# Altium PCB RX_test_01.PcbDoc (part 1 of 3) (continued)
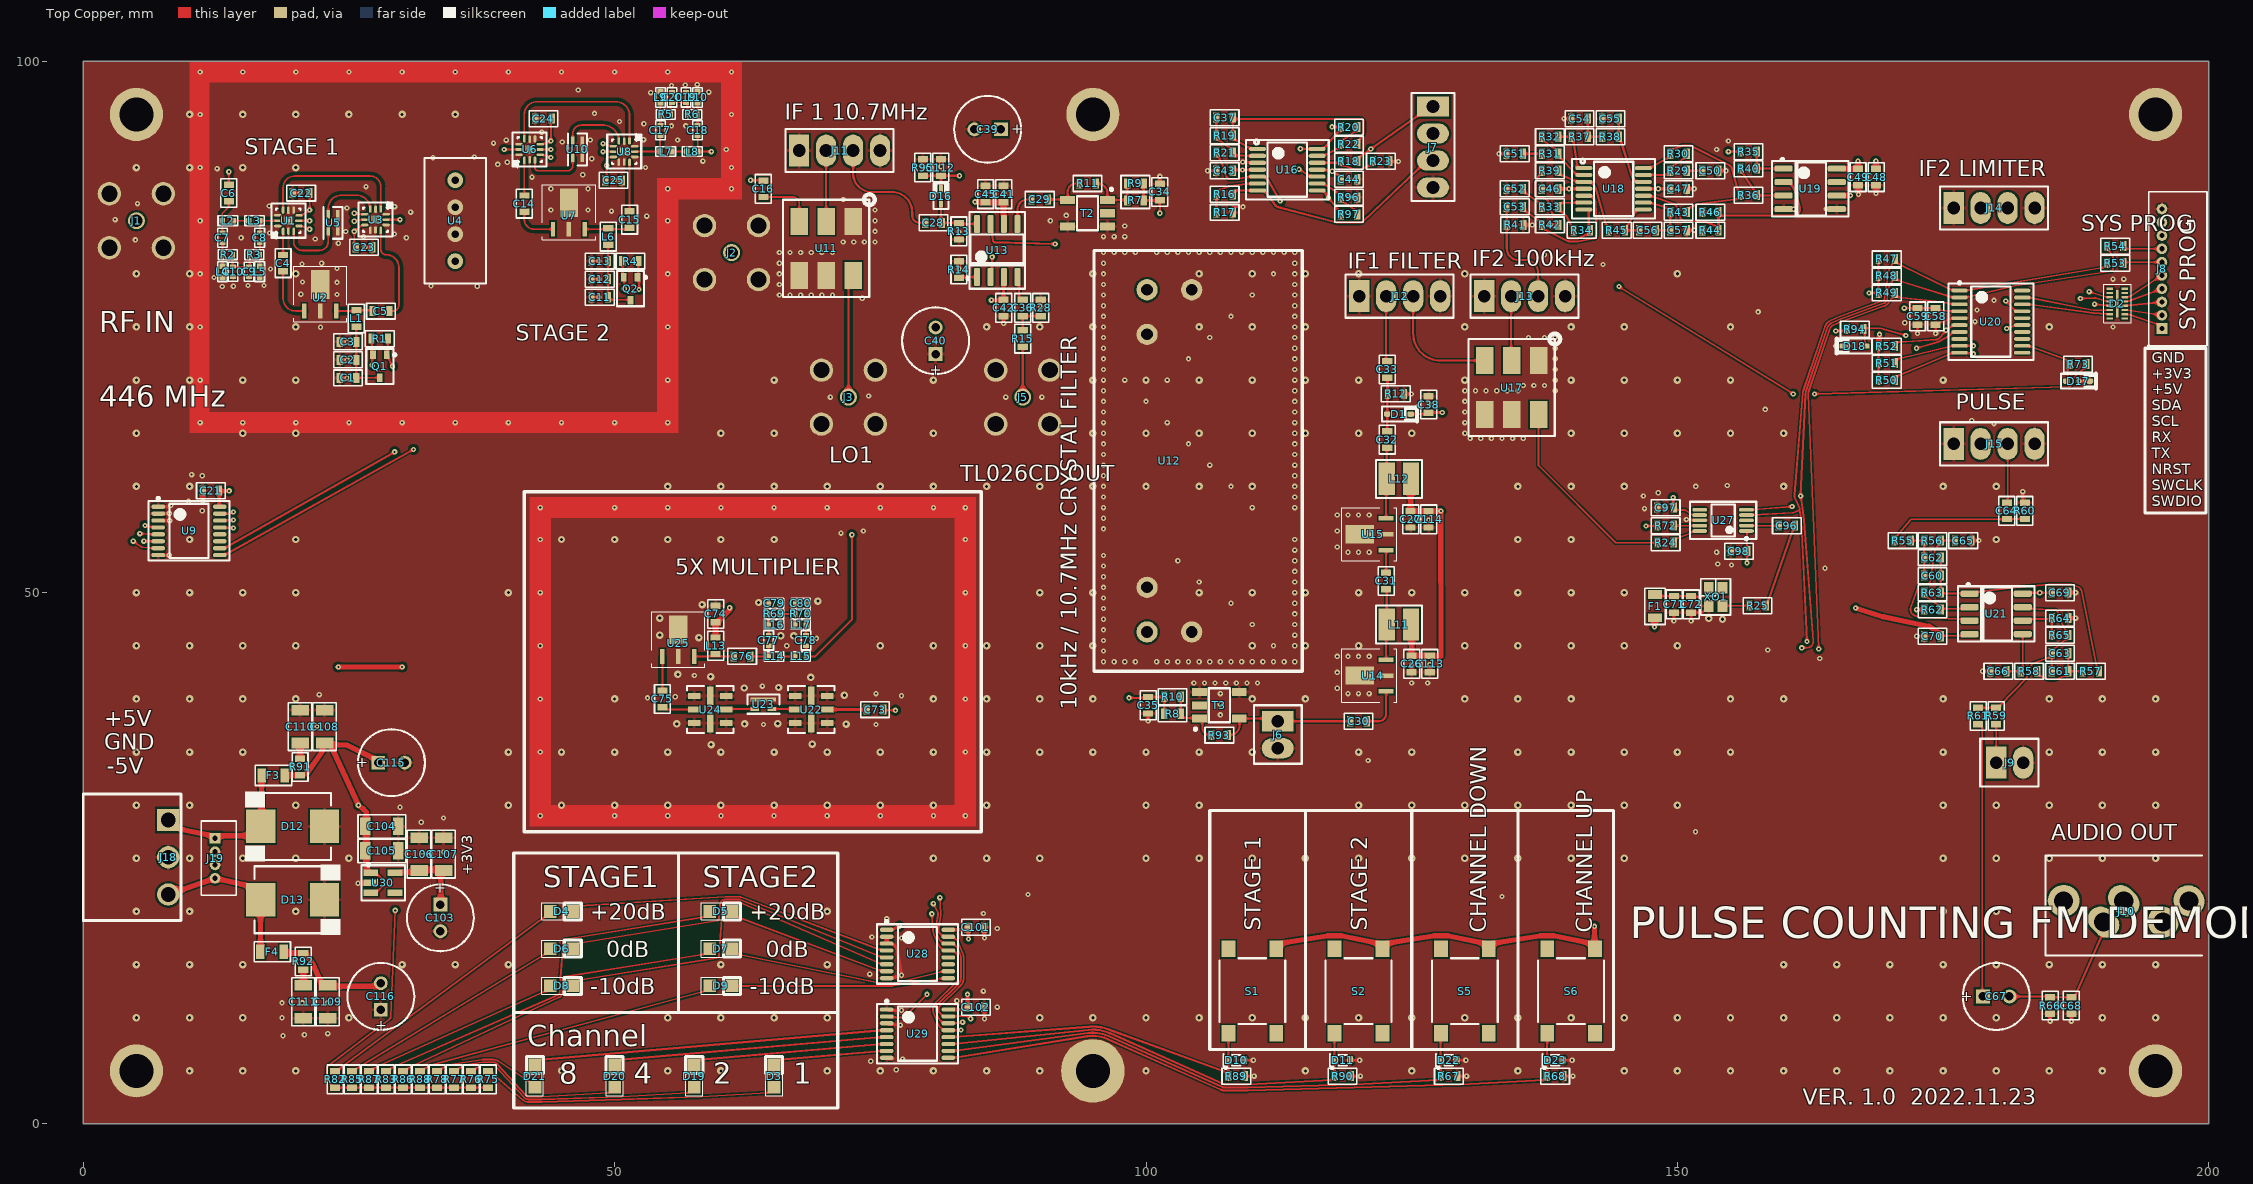
[diagram p0: Top Copper view]
## Part data (continued)
C34 C35: library part MC0603N220J500CT, "MULTICOMP - MC0603N220J500CT - CAP, MLCC, C0G/NP0, 22PF, 50V, 0603", Capacitance=22p, Manufacturer=MULTICOMP, Supplier Part Number 1=1759057, ComponentLink1Description=http://www.farnell.com/datasheets/1901289.pdf, ComponentLink1URL=http://www.farnell.com/datasheets/1901289.pdf, Manufacturer Part Number=MC0603N220J500CT, Pricing 1="10=0.0077, 100=0.0065, 500=0.0052, 1000=0.0044, 2000=0.0038 (GBP)", RoHS=YES, Stock 1=184439, Supplier 1=Farnell, Supplier 2=Newark, Supplier Part Number 2=94W8766
C38 C53 C112: library part 06033C104KAT2A, "AVX - 06033C104KAT2A - CAP, MLCC, X7R, 0.1UF, 25V, 0603", Capacitance=100n, Capacitance Tolerance="± 10%", Ceramic Capacitor Case="0603 [1608 Metric]", Dielectric Characteristic=X7, Manufacturer=AVX, Operating Temperature Max=125, Operating Temperature Min=-55, Supplier Part Number 1=2530141, Voltage Rating=25, Automotive Qualification Standard=-, ComponentLink1Description=http://www.farnell.com/datasheets/2237835.pdf, ComponentLink1URL=http://www.farnell.com/datasheets/2237835.pdf, Manufacturer Part Number=06033C104KAT2A, MSL="MSL 1 - Unlimited", Packaging="Cut Tape", Pricing 1="10=0.012, 100=0.0096, 500=0.0069, 1000=0.006, 2000=0.0048, 4000=0.0038, 20000=0.0027, 40000=0.0026 (GBP)", Product Range="AVX 0603 MLCC", RoHS=YES, Stock 1=22809, Supplier 1=Farnell, Supplier 2=Digi-Key, Supplier Part Number 2=478-3714-1-ND, SVHC="No SVHC (17-Dec-2015)<!--FANDB--><div class=\"features-and-benefits-container\"><div class=\"features-and-benefits-desc-container\"><span class=\"features-and-benefits-container-desc\">SMD Multilayer Ceramic Capacitor, 0603 [1608 Metric], 0.1 µF, 25 V, ± 10%, X7R, AVX 0603 MLCC</span></div><div class=\"features-and-benefits-description\"><span class=\"features-benefits-value\">The 06033C104KAT2A is a SMD Multilayer Ceramic Capacitor with Ni/Sn-plated termination, X7R dielectric and 0603 case. X7R formulations are called temperature stable ceramics and fall into EIA class II materials. X7R is the most popular of this intermediate dielectric constant material. This capacitance change is non-linear. Capacitance for X7R varies under the influence of electrical operating conditions such as voltage and frequency. X7"
C39 C40 C67 C103 C115 C116: library part 860010473007, "CAP 100 UF 20% 25 V", Capacitance=100uF, Case/Package=Radial, Manufacturer="Wurth Electronics", Max Operating Temperature=85°C, Min Operating Temperature=-40°C, Package Quantity=1500, Ripple Current=209mA, Supplier Part Number 1=710-860010473007, Tolerance=20%, Voltage Rating=25V, Category="Aluminum Electrolytic Capacitors", ComponentLink1Description=https://datasheet.ciiva.com/48693/001280151-da-01-en-wcap-atg8-alu-elec-caps-860010473007-48693591.pdf?src-supplier=Conrad, ComponentLink1URL=https://datasheet.ciiva.com/48693/001280151-da-01-en-wcap-atg8-alu-elec-caps-860010473007-48693591.pdf?src-supplier=Conrad, Diameter=6.3mm, Height=11mm, Height - Seated (Max)=0.492inch, Lead Pitch=0.098inch, Life (Hours)=2000Hour, Manufacturer Part Number=860010473007, Material=Aluminium, Mount="Through Hole", Packaging="Tape and Reel", Polarity=Polar, Pricing 1="1=0.14000, 10=0.13400, 25=0.13400, 50=0.11200, 100=0.09800, 250=0.08700 (USD)", REACH SVHC=Unknown, RoHS=Yes, Stock 1=1494, Supplier 1=Mouser, Supplier 2=Farnell, Supplier 3=Digi-Key, Supplier Part Number 2=2465675, Supplier Part Number 3=732-8630-1-ND, Voltage Rating (DC)=25V
C55 C96: library part MCU0603C102JCT, "MULTICOMP - MCU0603C102JCT - CAP, MLCC, C0G/NP0, 1NF, 50V, 0603", Capacitance=1n, Capacitance Tolerance="± 5%", Capacitance Tolerance +=5%, Capacitor Terminals=SMD, Ceramic Capacitor Case="0603 [1608 Metric]", Dielectric Characteristic="C0G / NP0", Manufacturer=MULTICOMP, Operating Temperature Max=125, Operating Temperature Min=-55, Operating Temperature Range="-55°C to +125", Supplier Part Number 1=9406131, Temperature Coefficient="0ppm/°C ± 30", Voltage Rating=50, Voltage Rating V DC="50V<!--FANDB--><div class=\"features-and-benefits-container\"><div class=\"features-and-benefits-desc-container\"><span class=\"features-and-benefits-container-desc\">SMD Multilayer Ceramic Capacitor, 0603 [1608 Metric], 1000 pF, 50 V, ± 5%, C0G / NP0", Automotive Qualification Standard=-, Capacitance Tolerance ±="± 5%", ComponentLink1Description=http://www.farnell.com/datasheets/1723231.pdf, ComponentLink1URL=http://www.farnell.com/datasheets/1723231.pdf, External Depth=0.8, External Length / Height=1.6, External Width=0.8, Manufacturer Part Number=MCU0603C102JCT, MSL=-, No. of Pins=2, Packaging="Cut Tape", Pricing 1="10=0.0164, 100=0.0133, 500=0.0095, 1000=0.0082, 2000=0.0065 (GBP)", Product Range="MCU Series", Reel Quantity=4000, RoHS=YES, Stock 1=25831, Supplier 1=Farnell, SVHC="No SVHC (07-Jul-2017)", Tape Width=8, Tolerance +=5%, Tolerance -=5%
C68: library part C0603C470J5GACAUTO, "CAP CER 47PF 50V C0G/NP0 0603", Capacitance=47p, Manufacturer=KEMET, Operating Temperature="-55°C ~ 125°C", Package / Case="0603 (1608 Metric)", Ratings=AEC-Q200, Supplier Part Number 1=80-C0603C470J5G, Temperature Coefficient="C0G, NP0", Tolerance=±5%, Voltage - Rated=50V, Applications=Automotive, Category=Capacitors, ComponentLink1Description=https://search.kemet.com/component-edge/download/datasheet/C0603C470J5GACAUTO.pdf, ComponentLink1URL=https://search.kemet.com/component-edge/download/datasheet/C0603C470J5GACAUTO.pdf, Failure Rate=-, Features=-, Height - Seated (Max)=-, Lead Spacing=-, Lead Style=-, Manufacturer Part Number=C0603C470J5GACAUTO, Mounting Type="Surface Mount, MLCC", Packaging="Cut Tape (CT)", Part Status=Active, Pricing 1="1=0.12, 10=0.088, 100=0.0391, 500=0.02792, 1000=0.02193 (USD)", RoHS="RoHS Compliant", Size / Dimension="0.063\" L x 0.032\" W (1.60mm x 0.80mm)", Stock 1=21519, Supplier 1=Mouser, Supplier 2=Farnell, Supplier 3=Digi-Key, Supplier 4=TME, Supplier Part Number 2=1414639, Supplier Part Number 3=399-6890-1-ND, Supplier Part Number 4=C0603C470J5GAC, Thickness (Max)="0.034\" (0.87mm)"
C71: library part GRT188C81A106ME13D, "Cap Ceramic 10uF 10V X6S 20% Pad SMD 0603 105C Automotive T/R", Capacitance=10uF, Case Code (Imperial)=0603, Case Code (Metric)=1608, Manufacturer=Murata, Max Operating Temperature=105°C, Min Operating Temperature=-55°C, Ratings=AEC-Q200, Supplier Part Number 1=81-GRT188C81A106ME3D, Tolerance=20%, Voltage Rating=10V, Case/Package=0603, Category="Ceramic Capacitors", ComponentLink1Description=http://search.murata.co.jp/Ceramy/image/img/A01X/G101/ENG/GRT188C81A106ME13-01.pdf?src-supplier=Digi-Key, ComponentLink1URL=http://search.murata.co.jp/Ceramy/image/img/A01X/G101/ENG/GRT188C81A106ME13-01.pdf?src-supplier=Digi-Key, Length=0.063inch, Manufacturer Part Number=GRT188C81A106ME13D, Mount="Surface Mount", Packaging="Tape and Reel", Pricing 1="1=0.41000, 10=0.20100, 50=0.20100, 100=0.17200, 1000=0.10900, 10000=0.09700 (USD)", RoHS=No, Stock 1=1862, Supplier 1=Mouser, Supplier 2=Farnell, Supplier 3=Digi-Key, Supplier Part Number 2=3582904, Supplier Part Number 3=490-12283-6-ND, Thickness=0.035inch, Width=0.031inch
C97 C98: library part CGA3E1X7R1E105K080AC, "CAP CER 1UF 25V X7R 0603", Capacitance=1u, Manufacturer="TDK Corporation", Operating Temperature="-55°C ~ 125°C", Package / Case="0603 (1608 Metric)", Ratings=AEC-Q200, Supplier Part Number 1=445-6931-1-ND, Temperature Coefficient=X7R, Tolerance=±10%, Voltage - Rated=25V, Applications=Automotive, Category=Capacitors, ComponentLink1Description=https://product.tdk.com/info/en/catalog/datasheets/mlcc_automotive_general_en.pdf, ComponentLink1URL=https://product.tdk.com/info/en/catalog/datasheets/mlcc_automotive_general_en.pdf, Failure Rate=-, Features=-, Height - Seated (Max)=-, Lead Spacing=-, Lead Style=-, Manufacturer Part Number=CGA3E1X7R1E105K080AC, Mounting Type="Surface Mount, MLCC", Packaging="Cut Tape (CT)", Part Status=Active, Pricing 1="1=0.2, 10=0.135, 100=0.0686, 500=0.04696, 1000=0.04154 (USD)", RoHS="RoHS Compliant", Size / Dimension="0.063\" L x 0.032\" W (1.60mm x 0.80mm)", Stock 1=109509, Supplier 1=Digi-Key, Supplier 2=Mouser, Supplier Part Number 2=2346962, Supplier Part Number 3=810-CGA3E1X7R1E105K, Thickness (Max)="0.035\" (0.90mm)"
C104 C105 C106 C107 C108 C109 C110 C111: library part GRM31CR71E106KA12L, "MURATA - GRM31CR71E106KA12L - CAP, MLCC, X7R, 10UF, 25V, 1206", Capacitance=10u, Dielectric=X7R, Manufacturer=MURATA, Supplier Part Number 1=81-GRM31CR71E106KA12, ComponentLink1Description=http://www.farnell.com/datasheets/2048746.pdf, ComponentLink1URL=http://www.farnell.com/datasheets/2048746.pdf, Manufacturer Part Number=GRM31CR71E106KA12L, Pricing 1="5=0.278, 50=0.185, 250=0.139, 500=0.134, 1000=0.128 (GBP)", RoHS=YES, Stock 1=8848, Supplier 1=Mouser, Supplier 2=Farnell, Supplier 3=Digi-Key, Supplier Part Number 2=1828837, Supplier Part Number 3=490-6518-1-ND
D1: "DIODE SCHOTTKY 30V 200MA SOD323", Capacitance @ Vr, F="7pF @ 1V, 1MHz", Current - Average Rectified (Io)="200mA (DC)", Manufacturer="Vishay Semiconductor Diodes Division", Operating Temperature - Junction="125°C (Max)", Package / Case="SC-76, SOD-323", Supplier Device Package=SOD-323, Supplier Part Number 1=BAT42WS-E3-08-ND, Category="Discrete Semiconductor Products", ComponentLink1Description=http://www.vishay.com/docs/81813/bat42wsv.pdf, ComponentLink1URL=http://www.vishay.com/docs/81813/bat42wsv.pdf, Diode Type=Schottky, Manufacturer Part Number=BAT42WS-E3-08, Mounting Type="Surface Mount", Packaging="Tape & Reel (TR)", Part Status=Active, Pricing 1="15000=0.0504 (USD)", RoHS="RoHS Compliant", Speed="Small Signal =< 200mA (Io), Any Speed", Stock 1=0, Supplier 1=Digi-Key, Supplier 2=Mouser, Supplier Part Number 2=78-BAT42WS-E3-08
D2: "EMI FILTER", Clamping Voltage Vc Max=8, Filter Case Style=LLP3313, Manufacturer=VISHAY, Supplier Part Number 1=78-VEMI85AB-HGK, ComponentLink1Description=http://www.farnell.com/datasheets/2244016.pdf, ComponentLink1URL=http://www.farnell.com/datasheets/2244016.pdf, EMI Filter Type="EMI Filter with ESD Protection", Filter Circuit="C-R-C Pi Filter", Manufacturer Part Number=VEMI85AB-HGK-GS08, No. of Data Lines="8 Data Lines", No. of Pins=17, Pricing 1="1=0.563, 25=0.446, 50=0.393, 100=0.339, 250=0.308, 500=0.279 (GBP)", Product Range=-, RoHS=YES, Stock 1=9416, Supplier 1=Mouser, Supplier 2=Farnell, Supplier 3=Digi-Key, Supplier Part Number 2=1795412, Supplier Part Number 3=751-1456-2-ND
D3 D4 D5 D6 D7 D8 D9 D19 D20 D21: library part MCL-S270GC, "MULTICOMP - MCL-S270GC - LED, 0805, GREEN, 10MCD, 570NM", Current Rating=20, Forward Voltage=2.1, Forward Voltage VF Max=2.6, LED Colour=Green, Manufacturer=MULTICOMP, Operating Temperature Max=85, Operating Temperature Min=-40, Operating Temperature Range="-40°C to +85", Peak Forward Current=100, Reverse Protection Voltage=5, Storage Temperature Max=+100, Supplier Part Number 1=1581242, Voltage Vf Min=1.7, Voltage Vf Typ="2.1V<!--FANDB--><div class=\"features-and-benefits-container\"><div class=\"features-and-benefits-description\"><span class=\"features-benefits-value\">The MCL-S270GC is a green SMD LED made of GaP dice. This LED offers water clear rectangular lens and 260°C for 5 seconds lead soldering temperature range 1.6mm from body.</span></div><div class=\"features-and-benefits-list\"><ul class=\"features-and-benefits-list-list\"><li class=\"features-and-benefits-list-item\">-40 to 85", Automotive Qualification Standard=-, Bulb Size="1.25mm x 1.4", ComponentLink1Description=http://www.farnell.com/cad/53028.pdf, ComponentLink1URL=http://www.farnell.com/cad/53028.pdf, ComponentLink2Description=http://www.farnell.com/datasheets/1671537.pdf, ComponentLink2URL=http://www.farnell.com/datasheets/1671537.pdf, Dominant Wavelength=570, Dominant Wavelength Typ=570, Forward Current If=20, Forward Current If Max=20, LED / Lamp Size="1.4mm x 1.25", LED Mounting=SMD, LED Type=Standard, Lens Shape=Rectangular, Luminous Intensity=10, Luminous Intensity Max=16, Luminous Intensity Min=4.5, Luminous Intensity Typ=10, Manufacturer Part Number=MCL-S270GC, MSL="MSL 3 - 168 hours", No. of Pins=2, Packaging="Cut Tape", Peak Wavelength=568, Pricing 1="5=0,145, 25=0,136, 100=0,126, 250=0,0813, 500=0,0645, 2000=0,0559, 5000=0,0496, 20000=0,0434 (GBP)", Product Range=-, RoHS=YES, Stock 1=80989, Storage Temperature Min=-40, Supplier 1=Farnell, Supplier 2=Newark, Supplier Part Number 2=14N9356, SVHC="No SVHC (17-Dec-2015)", Viewing Angle=140°, Wavelength Typ=570
D10 D11 D22 D23: library part PESD3V3S1UB,115, "TVS DIODE 3.3V 20V SOD523", Base Part Number=PESD*S1U, Capacitance @ Frequency="207pF @ 1MHz", Current - Peak Pulse (10/1000µs)="18A (8/20µs)", Manufacturer="Nexperia USA Inc.", Operating Temperature="-65°C ~ 150°C (TA)", Package / Case="SC-79, SOD-523", Power - Peak Pulse=330W, Power Line Protection=No, Supplier Device Package=SOD-523, Supplier Part Number 1=771-PESD3V3S1UB-T/R, Voltage - Breakdown (Min)=5.2V, Voltage - Clamping (Max) @ Ipp=20V, Voltage - Reverse Standoff (Typ)="3.3V (Max)", Applications="General Purpose", Category="Circuit Protection", ComponentLink1Description=https://assets.nexperia.com/documents/data-sheet/PESDXS1UB_SERIES.pdf, ComponentLink1URL=https://assets.nexperia.com/documents/data-sheet/PESDXS1UB_SERIES.pdf, Manufacturer Part Number=PESD3V3S1UB,115, Mounting Type="Surface Mount", Packaging="Cut Tape (CT)", Part Status=Active, Pricing 1="1=0.49, 10=0.368, 100=0.2082, 500=0.1379, 1000=0.10573 (USD)", RoHS="RoHS Compliant", Stock 1=0, Supplier 1=Mouser, Supplier 2=Farnell, Supplier 3=Digi-Key, Supplier 4=TME, Supplier Part Number 2=8737568, Supplier Part Number 3=1727-3829-1-ND, Supplier Part Number 4=PESD3V3S1UB.115, Type=Zener
D12 D13: "TVS DIODE 5V 9.2V DO214AB", Clamping Voltage=9.2V, Manufacturer=Littelfuse, Max Operating Temperature=150°C, Min Breakdown Voltage=6.4V, Min Operating Temperature=-55°C, Package Quantity=500, Peak Pulse Current=326.1A, Peak Pulse Power=3kW, Power Line Protection=No, Resistor Type=Zener, Reverse Standoff Voltage=5V, Supplier Part Number 1=576-SMDJ5.0A-T7, Category="TVS Diodes", ComponentLink1Description=http://components.arrow.com/part/dataview/51478447S87545N3675?src-supplier=Arrow+Electronics, ComponentLink1URL=http://components.arrow.com/part/dataview/51478447S87545N3675?src-supplier=Arrow+Electronics, ComponentLink2Description=http://www.mouser.com/ds/2/240/Littelfuse_TVS_Diode_SMCJ_HRA_Datasheet.pdf-693424.pdf?src-supplier=Mouser, ComponentLink2URL=http://www.mouser.com/ds/2/240/Littelfuse_TVS_Diode_SMCJ_HRA_Datasheet.pdf-693424.pdf?src-supplier=Mouser, Lead Free="Contains Lead", Manufacturer Part Number=SMDJ5.0A-T7, Mount="Surface Mount", Number of Pins=2, Number of Unidirectional Channels=1, Packaging="Tape and Reel", Pricing 1="1=0.84000, 10=0.71500, 50=0.71500, 100=0.56800, 500=0.46100, 1000=0.46100, 10000=0.46100 (USD)", RoHS=Yes, Stock 1=117, Supplier 1=Mouser, Supplier 2=Digi-Key, Supplier 3="Arrow Electronics", Supplier Part Number 2=18-SMDJ5.0A-T7CT-ND, Supplier Part Number 3=SMDJ5.0A-T7
D16: "Low barrier diode for detectors up to GHz frequencies, SC79, RoHS", Average Rectified Current=20mA, Manufacturer=Infineon, Max Operating Temperature=150°C, Max Repetitive Reverse Voltage (Vrrm)=40V, Min Operating Temperature=-55°C, Supplier Part Number 1=726-BAT6202VH6327XTS, Category="Rectifier Diodes", ComponentLink1Description=http://www.farnell.com/datasheets/1835974.pdf?src-supplier=Farnell, ComponentLink1URL=http://www.farnell.com/datasheets/1835974.pdf?src-supplier=Farnell, ComponentLink2Description=http://www.mouser.com/ds/2/196/Infineon-BAT62SERIES-DS-v01_01-en-539993.pdf?src-supplier=Mouser, ComponentLink2URL=http://www.mouser.com/ds/2/196/Infineon-BAT62SERIES-DS-v01_01-en-539993.pdf?src-supplier=Mouser, ComponentLink3Description=https://www.infineon.com/dgdl/bat62series.pdf?folderId=db3a304314dca389011518104e5d0df2&fileId=db3a304314dca3890115181141bf0df3&src-supplier=Digi-Key, ComponentLink3URL=https://www.infineon.com/dgdl/bat62series.pdf?folderId=db3a304314dca389011518104e5d0df2&fileId=db3a304314dca3890115181141bf0df3&src-supplier=Digi-Key, ComponentLink4Description=http://www.infineon.com/dgdl/Infineon-BAT62SERIES-DS-v01_01-en.pdf?fileId=db3a304314dca3890115181141bf0df3&src-supplier=Avnet, ComponentLink4URL=http://www.infineon.com/dgdl/Infineon-BAT62SERIES-DS-v01_01-en.pdf?fileId=db3a304314dca3890115181141bf0df3&src-supplier=Avnet, Element Configuration=Single, Forward Current=20mA, Manufacturer Part Number=BAT6202VH6327XTSA1, Max Reverse Voltage (DC)=40V, Mount="Surface Mount", Number of Pins=2, Packaging="Tape and Reel", Pricing 1="1=0.52000, 10=0.42300, 50=0.42300, 100=0.28800, 500=0.21600, 1000=0.16200, 3000=0.14800, 6000=0.13900, 9000=0.13000, 10000=0.13000 (USD)", RoHS=Yes, RoHS Compliant=Yes, Stock 1=8967, Supplier 1=Mouser, Supplier 2=Farnell, Supplier 3=Digi-Key, Supplier Part Number 2=2725714, Supplier Part Number 3=BAT6202VH6327XTSA1CT-ND
D17 D18: "DIODES INC. - 1N4148WS-7-F - DIODE, SS SWITCH, 75V, 0.2W, SOD323", Diode Case Style=SOD-323, Forward Current If(AV)=150, Forward Surge Current Ifsm Max=2, Forward Voltage VF Max=1.25, Manufacturer="DIODES INC.", Operating Temperature Min=-65, Operating Temperature Range="-65°C to +150°C<!--FANDB--><div class=\"features-and-benefits-container\"><div class=\"features-and-benefits-description\"><span class=\"features-benefits-value\">The 1N4148WS-7-F is a surface mount fast Switching Diode with matte tin-plated terminals and an UL94V-0 green molding compound molded plastic case. Solderable terminals as per MIL-STD-202, method 208 standard. Color band denotes cathode end polarity. It is suitable for general purpose switching applications.</span></div><div class=\"features-and-benefits-list\"><ul class=\"features-and-benefits-list-list\"><li class=\"features-and-benefits-list-item\">Fast switching speed</li><li class=\"features-and-benefits-list-item\">100V Non-repetitive peak reverse voltage</li><li class=\"features-and-benefits-list-item\">53V RMS reverse voltage</li><li class=\"features-and-benefits-list-item\">200mW Power dissipation</li><li class=\"features-and-benefits-list-item\">625", Repetitive Reverse Voltage Vrrm Max=75, Supplier Part Number 1=1843678, ComponentLink1Description=http://www.farnell.com/datasheets/1911818.pdf, ComponentLink1URL=http://www.farnell.com/datasheets/1911818.pdf, Diode Configuration=Single, Diode Type=Switching, Manufacturer Part Number=1N4148WS-7-F, MSL="MSL 1 - Unlimited", No. of Pins=2, Operating Temperature Max=150, Packaging="Cut Tape", Pricing 1="1=0.186, 25=0.142, 100=0.0928, 250=0.0514, 500=0.0433, 1000=0.0256, 3000=0.025, 8000=0.0239 (GBP)", Product Range="1N4148 Series", Reverse Recovery Time trr Max=4, RoHS=YES, Stock 1=64008, Supplier 1=Farnell, SVHC="No SVHC (17-Dec-2015)"
F1 F3 F4: library part 742792023, "WURTH ELEKTRONIK - 742792023 - FERRITE BEAD, 0.03OHM, 3A, 0805", DC Current Rating=3, DC Resistance Max=0.03, Ferrite Case Style="0805 [2012 Metric]", Impedance Tolerance="± 25%", Manufacturer="WURTH ELEKTRONIK", Resistance="0.03ohm<!--FANDB--><div class=\"features-and-benefits-container\"><div class=\"features-and-benefits-description\"><span class=\"features-benefits-value\">The 742792023 is a SMD EMI Suppression Ferrite Bead with 0805 case and reliable Ni-Sn electrodes. It can be put directly on the printed circuit board. It offers excellent anti-EMI properties and low DC resistance. Placed very close next to the interference source even with smallest size 0402, maximal impedance at 1000", Supplier Part Number 1=710-742792023, Automotive Qualification Standard=-, ComponentLink1Description=http://www.farnell.com/datasheets/1695980.pdf, ComponentLink1URL=http://www.farnell.com/datasheets/1695980.pdf, ComponentLink2Description=http://www.farnell.com/cad/1670054.zip, ComponentLink2URL=http://www.farnell.com/cad/1670054.zip, Ferrite Mounting=SMD, Impedance @ 100MHz=120, Manufacturer Part Number=742792023, Packaging="Cut Tape", Pricing 1="1=0,123, 50=0,112, 100=0,103, 500=0,0937, 1000=0,0877, 2000=0,0846 (GBP)", Product Range=-, RoHS=YES, Stock 1=4283, Supplier 1=Mouser, Supplier 2=Farnell, Supplier 3=Digi-Key, Supplier Part Number 2=1635732, Supplier Part Number 3=732-1613-1-ND
J1 J2 J3 J5: library part 73366-0061, "CONN MCX JACK STR 50 OHM PCB", Dielectric Material="Polytetrafluoroethylene (PTFE)", Housing Color=Gold, Manufacturer="Molex, LLC", Manufacturer Part Number=0733660061, Operating Temperature="-55°C ~ 155°C", Supplier Part Number 1=538-73366-0061, Body Finish=Gold, Body Material=Brass, Cable Group=-, Category="Connectors, Interconnects", Center Contact Material="Beryllium Copper", Center Contact Plating=Gold, ComponentLink1Description=https://www.molex.com/pdm_docs/sd/733660061_sd.pdf, ComponentLink1URL=https://www.molex.com/pdm_docs/sd/733660061_sd.pdf, Connector Style=MCX, Connector Type="Jack, Female Socket", Contact Termination=Solder, Fastening Type=Snap-On, Features=-, Impedance="50 Ohm", Includes=-, Ingress Protection=-, Insertion Loss=-, Mating Cycles=500, Mounting Feature=-, Mounting Type="Through Hole", Packaging=Tray, Part Status=Active, Pricing 1="1=1.95, 10=1.765, 25=1.6572, 50=1.5854, 100=1.5133, 250=1.36916, 500=1.26106, 1000=1.0809, 2500=1.00884 (USD)", RoHS="RoHS Compliant", Shield Termination=Solder, Stock 1=39394, Supplier 1=Mouser, Supplier 2=Digi-Key, Supplier 3=Farnell, Supplier Part Number 2=WM5541-ND, Supplier Part Number 3=1909245
J6 J9: "CONN HEADER 2 POS 2.54", Current Rating=3A, Insulation Color=Black, Manufacturer="Wurth Electronics Inc.", Material Flammability Rating="UL94 V-0", Operating Temperature="-40°C ~ 125°C", Supplier Part Number 1=710-61300211121, Voltage Rating=250V, Applications=-, Category="Connectors, Interconnects", ComponentLink1Description=https://katalog.we-online.de/em/datasheet/6130xx11121.pdf, ComponentLink1URL=https://katalog.we-online.de/em/datasheet/6130xx11121.pdf, Connector Type=Header, Contact Finish - Mating=Gold, Contact Finish - Post=-, Contact Finish Thickness - Mating=-, Contact Finish Thickness - Post=-, Contact Length - Mating="0.236\" (6.00mm)", Contact Length - Post="0.118\" (3.00mm)", Contact Material="Copper Alloy", Contact Shape=Square, Contact Type="Male Pin", Fastening Type=Push-Pull, Features=-, Ingress Protection=-, Insulation Height="0.100\" (2.54mm)", Insulation Material="Polybutylene Terephthalate (PBT)", Manufacturer Part Number=61300211121, Mated Stacking Heights=-, Mounting Type="Through Hole", Number of Positions=2, Number of Positions Loaded=All, Number of Rows=1, Overall Contact Length="0.454\" (11.54mm)", Packaging=Bulk, Part Status=Active, Pitch - Mating="0.100\" (2.54mm)", Pricing 1="1=0.13, 10=0.106, 25=0.088, 50=0.074, 100=0.067, 1000=0.061 (USD)", RoHS="RoHS Compliant", Row Spacing - Mating=-, Shrouding=Unshrouded, Stock 1=164911, Style="Board to Board or Cable", Supplier 1=Mouser, Supplier 2=Farnell, Supplier 3=Digi-Key, Supplier Part Number 2=2356153, Supplier Part Number 3=732-5315-ND, Termination=Solder
J7 J11 J12 J13 J14 J15: "CONN HEADER 4 POS 2.54", Current Rating=3A, Insulation Color=Black, Manufacturer="Wurth Electronics Inc.", Material Flammability Rating="UL94 V-0", Operating Temperature="-40°C ~ 125°C", Supplier Part Number 1=710-61300411121, Voltage Rating=250V, Applications=-, Category="Connectors, Interconnects", ComponentLink1Description=https://katalog.we-online.de/em/datasheet/6130xx11121.pdf, ComponentLink1URL=https://katalog.we-online.de/em/datasheet/6130xx11121.pdf, Connector Type=Header, Contact Finish - Mating=Gold, Contact Finish - Post=-, Contact Finish Thickness - Mating=-, Contact Finish Thickness - Post=-, Contact Length - Mating="0.236\" (6.00mm)", Contact Length - Post="0.118\" (3.00mm)", Contact Material="Copper Alloy", Contact Shape=Square, Contact Type="Male Pin", Fastening Type=Push-Pull, Features=-, Ingress Protection=-, Insulation Height="0.100\" (2.54mm)", Insulation Material="Polybutylene Terephthalate (PBT)", Manufacturer Part Number=61300411121, Mated Stacking Heights=-, Mounting Type="Through Hole", Number of Positions=4, Number of Positions Loaded=All, Number of Rows=1, Overall Contact Length="0.454\" (11.54mm)", Packaging=Bulk, Part Status=Active, Pitch - Mating="0.100\" (2.54mm)", Pricing 1="1=0.18, 10=0.153, 25=0.1272, 50=0.106, 100=0.096, 1000=0.088 (USD)", RoHS="RoHS Compliant", Row Spacing - Mating=-, Shrouding=Unshrouded, Stock 1=22863, Style="Board to Board or Cable", Supplier 1=Mouser, Supplier 2=Farnell, Supplier 3=Digi-Key, Supplier Part Number 2=2356155, Supplier Part Number 3=732-5317-ND, Termination=Solder
J8: "1.25mm Pitch, PicoBlade PCB Header, Single Row, Right-Angle, Through Hole, Tin (Sn) Plating, Friction Lock, 10 Circuits, Tray, 2.30mm PC Tail Length", Current Rating=-, Insulation Color=Natural, Manufacturer="Molex, LLC", Material Flammability Rating="UL94 V-0", Supplier Part Number 1=538-53048-1010, Applications="Automotive, General Purpose, Industrial, Medical", Category="Connectors, Interconnects", ComponentLink1Description=http://www.molex.com/pdm_docs/sd/530481010_sd.pdf, ComponentLink1URL=http://www.molex.com/pdm_docs/sd/530481010_sd.pdf, Connector Type=Header, Contact Finish - Mating=Tin, Contact Finish - Post=Tin, Contact Finish Thickness - Mating=-, Contact Finish Thickness - Post=-, Contact Length - Mating=-, Contact Length - Post="0.091\" (2.30mm)", Contact Material="Phosphor Bronze", Contact Shape=Rectangular, Contact Type="Male Blade", Fastening Type="Detent Lock", Features=-, Ingress Protection=-, Insulation Height="0.138\" (3.50mm)", Insulation Material="Polyamide (PA), Nylon", Manufacturer Part Number=53048-1010, Mated Stacking Heights=-, Mounting Type="Through Hole, Right Angle", Number of Positions=10, Number of Positions Loaded=All, Number of Rows=1, Operating Temperature=-, Overall Contact Length=-, Packaging=Tray, Part Status=Active, Pitch - Mating="0.049\" (1.25mm)", Pricing 1="1=0.87, 10=0.763, 100=0.6582, 500=0.53856, 1000=0.47872, 5000=0.41888, 10000=0.39794 (USD)", RoHS="RoHS Compliant", Row Spacing - Mating=-, Shrouding="Shrouded - 4 Wall", Stock 1=6090, Style="Board to Cable/Wire", Supplier 1=Mouser, Supplier 2=Digi-Key, Supplier 3=Farnell, Supplier Part Number 2=WM1750-ND, Supplier Part Number 3=9733108, Termination=Solder, Ucel=Ucel, Voltage Rating=-
J10: "SWITCHCRAFT - 35RAPC4BV4 - CONNECTOR, RCA/PHONO, JACK, 3WAY", Connector Colour=Black, Manufacturer=SWITCHCRAFT, Supplier Part Number 1=2293877, ComponentLink1Description=http://www.farnell.com/datasheets/921436.pdf, ComponentLink1URL=http://www.farnell.com/datasheets/921436.pdf, Connector Body Material="Plastic Body", Connector Mounting="PCB Mount", Contact Plating="Tin Plated Contacts", Contact Termination="Solder<!--FANDB--><div class=\"features-and-benefits-container\"><div class=\"features-and-benefits-description\"><span class=\"features-benefits-value\">The 35RAPC4BV4 is a 3.5mm Mono and Stereo PC Board Vertical-mount Jack with black PBT+15% glass filled housing, nickel-plated brass bushing, tin-plated phosphor bronze springs and a clear polycarbonate cover. The compact design and an easy of installation onto a PCB make this an ideal solution.</span></div><div class=\"features-and-benefits-list\"><ul class=\"features-and-benefits-list-list\"><li class=\"features-and-benefits-list-item\">5000 cycles Life</li><li class=\"features-and-benefits-list-item\">50", Gender=Jack, Manufacturer Part Number=35RAPC4BV4, No. of Contacts=3, Pin Diameter=3.5, Pricing 1="1=1.28, 25=1.11, 50=1.06, 100=1.01, 250=0.975, 500=0.939 (GBP)", Product Range=-, RoHS=YES, Stock 1=216, Supplier 1=Farnell, Supplier 2=Digi-Key, Supplier Part Number 2=SC1461-ND, SVHC="No SVHC (15-Jun-2015)"
J18: "WR-TBL Serie 3221 - 3.50 mm Horizontal PCB Header, 03p", Supplier Part Number 1=732-2770-ND, ComponentLink1Description=Manufacturer, ComponentLink1URL=http://www.we-online.de, ComponentLink2Description=Datasheet, ComponentLink2URL=http://katalog.we-online.de/em/datasheet/6913221100xx.pdf, Part Number=691322110003, Pin Number=03p, Pitch="3.5 mm", Published Date="Jan 2017", Publisher="Wurth Elektronik", Supplier 1=Digi-Key, Supplier 2=Farnell, Supplier Part Number 2=1841316
J19: "1.25mm Pitch, PicoBlade PCB Header, Single Row, Vertical, Through Hole, Tin Plating, Friction Lock, 4 Circuits, Tray, 2.30mm PC Tail Length", Color=Natural, Contact Resistance=20mR, Housing Color=White, Manufacturer=Molex, Manufacturer Part Number=0530470410, Max Operating Temperature=85°C, Max Voltage Rating (AC)=125V, Min Operating Temperature=-40°C, Supplier Part Number 1=538-53047-0410, Category="Headers and Wire Housings", ComponentLink1Description=https://datasheet.ciiva.com/3934/87920530470410-pcb-headers-3934064.pdf?src-supplier=Arrow, ComponentLink1URL=https://datasheet.ciiva.com/3934/87920530470410-pcb-headers-3934064.pdf?src-supplier=Arrow, Connector Type="Blade Pin", Contact Material=Bronze, Contact Mating Length=0.089inch, Contact Plating=Tin, Depth=3.2mm, Housing Material=Nylon, Length=6.75mm, Mount="Through Hole", Number of Contacts=4, Number of Positions=4, Number of Rows=1, Orientation=Straight, Packaging=Tray, Pitch=1.25mm, Pricing 4="1=0,27000, 10=0,23400, 100=0,18000, 500=0,15400, 1000=0,13000, 5000=0,11200, 10000=0,10400 (USD)", RoHS=Yes, Stock 4=7971, Supplier 1=Mouser, Supplier 2=Farnell, Supplier 3=Digi-Key, Supplier 4=Avnet, Supplier Part Number 2=9733060, Supplier Part Number 3=WM1733-ND, Supplier Part Number 4=0530470410, Termination=Solder
L1 L6 L13: library part 0603HP-68NXGLU, "Fixed Inductors 0603HP Hi Perfrmnce 68 nH 2 % 0.6 A", Case Code (Imperial)=0603, Case Code (Metric)=1608, Current Rating=600mA, DC Resistance (DCR)=330mR, Inductance=68n, Inductance Tolerance=2%, Manufacturer=Coilcraft, Max Operating Temperature=125°C, Min Operating Temperature=-40°C, Package Quantity=100, Self Resonant Frequency=2GHz, Supplier Part Number 1=994-0603HP-68NXGLU, Test Frequency=200MHz, Case/Package=0603, ComponentLink1Description=https://datasheet.ciiva.com/22709/1681881-22709625.pdf?src-supplier=Element14, ComponentLink1URL=https://datasheet.ciiva.com/22709/1681881-22709625.pdf?src-supplier=Element14, Core Material=Ceramic, Height=0.94mm, Lead Free="Contains Lead", Length=1.75mm, Manufacturer Part Number=0603HP-68NXGLU, Max DC Current=600mA, Mount="Surface Mount", Packaging="Tape and Reel", Pricing 1="1=1.18000, 10=1.18000, 50=1.18000, 100=1.18000, 200=0.89000, 500=0.66000 (USD)", Q Factor=49, REACH SVHC="No SVHC", RoHS=Yes, Stock 1=2486, Supplier 1=Mouser, Supplier 2=Farnell, Supplier Part Number 2=2286163, Termination=SMD/SMT, Tolerance=2%, Width=1.09mm
L2 L3 L4 L5 L7 L8 L9 L10 L14 L15 L16 L17: library part LQW15AN7N4D10D, "Ind Chip Wirewound 7.4nH 0.5nH 0402 Paper T/R", Manufacturer=Murata, Supplier Part Number 1=81-LQW15AN7N4D10D, Category="Fixed Inductors", ComponentLink1Description=https://datasheet.octopart.com/LQW15AN7N4D10D-Murata-datasheet-138758294.pdf?src-supplier=Ciiva+Crawler, ComponentLink1URL=https://datasheet.octopart.com/LQW15AN7N4D10D-Murata-datasheet-138758294.pdf?src-supplier=Ciiva+Crawler, ComponentLink2Description=https://datasheet.octopart.com/LQW15AN7N4D10D-Murata-datasheet-140717249.pdf?src-supplier=Ciiva+Crawler, ComponentLink2URL=https://datasheet.octopart.com/LQW15AN7N4D10D-Murata-datasheet-140717249.pdf?src-supplier=Ciiva+Crawler, ComponentLink3Description=https://datasheet.octopart.com/LQW15AN7N4D10D-Murata-datasheet-141294512.pdf?src-supplier=Ciiva+Crawler, ComponentLink3URL=https://datasheet.octopart.com/LQW15AN7N4D10D-Murata-datasheet-141294512.pdf?src-supplier=Ciiva+Crawler, ComponentLink4Description=https://datasheet.octopart.com/LQW15AN7N4D10D-Murata-datasheet-142541909.pdf?src-supplier=Ciiva+Crawler, ComponentLink4URL=https://datasheet.octopart.com/LQW15AN7N4D10D-Murata-datasheet-142541909.pdf?src-supplier=Ciiva+Crawler, ComponentLink5Description=https://datasheet.octopart.com/LQW15AN7N4D10D-Murata-datasheet-140317909.pdf?src-supplier=Farnell, ComponentLink5URL=https://datasheet.octopart.com/LQW15AN7N4D10D-Murata-datasheet-140317909.pdf?src-supplier=Farnell, ComponentLink6Description=https://datasheet.octopart.com/LQW15AN7N4D10D-Murata-datasheet-145452064.pdf?src-supplier=Geoflip, ComponentLink6URL=https://datasheet.octopart.com/LQW15AN7N4D10D-Murata-datasheet-145452064.pdf?src-supplier=Geoflip, Manufacturer Part Number=LQW15AN7N4D10D, Pricing 1="1=0.21000, 10=0.17900, 50=0.17900, 100=0.11900, 1000=0.08300, 10000=0.05700 (USD)", Stock 1=9490, Supplier 1=Mouser, Supplier 2=Farnell, Supplier 3=Digi-Key, Supplier Part Number 2=3356519, Supplier Part Number 3=490-LQW15AN7N4D10DTR-ND
L11 L12: "Fixed Inductors ME3220 SMT Power 100 uH 10 % 0.32 A", Case/Package=100, DC Resistance (DCR)=3.5R, Inductance=100u, Manufacturer=Coilcraft, Max DC Current=320mA, Max Operating Temperature=85°C, Min Operating Temperature=-40°C, Self Resonant Frequency=13.3MHz, Supplier Part Number 1=994-ME3220-104KLC, Test Frequency=100kHz, Tolerance=10%, Category="Fixed Inductors", ComponentLink1Description=http://www.mouser.com/ds/2/597/me3220-270645.pdf?src-supplier=Mouser, ComponentLink1URL=http://www.mouser.com/ds/2/597/me3220-270645.pdf?src-supplier=Mouser, Core Material=Ferrite, Height=2.4mm, Lead Free="Contains Lead", Length=3.5mm, Manufacturer Part Number=ME3220-104KLC, Packaging="Tape and Reel", Pricing 1="1=0.70000, 10=0.59400, 50=0.57500, 100=0.51800, 1000=0.36200, 10000=0.33300 (USD)", RoHS=Yes, RoHS Compliant=Yes, Series=ME3220, Stock 1=420, Supplier 1=Mouser, Supplier 2=Farnell, Supplier Part Number 2=2287937, Termination=SMD/SMT, Width=2.7mm
Q1 Q2: "NXP - NX3008PBKW - MOSFET, P CH, 30V, 200MA, SOT323", Continuous Drain Current Id=-200, Drain Source Voltage Vds=-30, Manufacturer=NXP, On Resistance Rds(on)=2.8, Operating Temperature Max=150, Operating Temperature Min=-55, Operating Temperature Range="-55°C to +150", Power Dissipation Pd=260, Pulse Current Idm=-0.8, Rds(on) Test Voltage Vgs=-4.5, Supplier Part Number 1=2069551, Threshold Voltage Vgs=-900, Transistor Case Style=SOT-323, Voltage Vgs th Max="8V<!--FANDB--><div class=\"features-and-benefits-container\"><div class=\"features-and-benefits-description\"><span class=\"features-benefits-value\">The NX3008PBKW is a P-channel enhancement mode Field-Effect Transistor (FET) in surface mount plastic package using Trench MOSFET technology. Suitable for relay driver, high-speed line driver and high-side loadswitch.</span></div><div class=\"features-and-benefits-list\"><ul class=\"features-and-benefits-list-list\"><li class=\"features-and-benefits-list-item\">Logic-level compatible</li><li class=\"features-and-benefits-list-item\">Very fast switching</li><li class=\"features-and-benefits-list-item\">AEC-Q101 Qualified</li><li class=\"features-and-benefits-list-item\">Up to 1", Automotive Qualification Standard=-, ComponentLink1Description=http://www.farnell.com/datasheets/1508398.pdf, ComponentLink1URL=http://www.farnell.com/datasheets/1508398.pdf, Manufacturer Part Number=NX3008PBKW, MSL="MSL 1 - Unlimited", No. of Pins=3, Pricing 1="1=0.037, 25=0.0347, 100=0.0323, 250=0.03, 500=0.0294, 2000=0.0288, 4000=0.0282, 20000=0.0276 (GBP)", Product Range=-, RoHS=YES, Stock 1=18626, Supplier 1=Farnell, Supplier 2=Digi-Key, Supplier Part Number 2=568-10503-1-ND, SVHC="No SVHC (17-Dec-2015)", Transistor Polarity="P Channel"
R1 R4 R50 R51 R52 R95: library part RC0603FR-07100KL, "RES SMD 100K OHM 1% 1/10W 0603", Manufacturer=Yageo, Operating Temperature="-55°C ~ 155°C", Package / Case="0603 (1608 Metric)", Power (Watts)="0.1W, 1/10W", Resistance=100k, Supplier Device Package=0603, Supplier Part Number 1=603-RC0603FR-07100KL, Temperature Coefficient=±100ppm/°C, Tolerance=±1%, Category=Resistors, ComponentLink1Description=http://www.yageo.com/documents/recent/PYu-RC_Group_51_RoHS_L_8.pdf, ComponentLink1URL=http://www.yageo.com/documents/recent/PYu-RC_Group_51_RoHS_L_8.pdf, Composition="Thick Film", Failure Rate=-, Features="Moisture Resistant", Height - Seated (Max)="0.022\" (0.55mm)", Manufacturer Part Number=RC0603FR-07100KL, Packaging="Cut Tape (CT)", Part Status=Active, Pricing 1="1=0.1, 10=0.015, 100=0.006, 1000=0.00268, 2500=0.00233 (USD)", RoHS="RoHS Compliant", Size / Dimension="0.063\" L x 0.032\" W (1.60mm x 0.80mm)", Stock 1=14618646, Supplier 1=Mouser, Supplier 2=Farnell, Supplier 3=Digi-Key, Supplier Part Number 2=9238727, Supplier Part Number 3=311-100KHRCT-ND